# Altium PCB CM4-Tower.PcbDoc (part 2 of 10)
Units mil, origin at the board's own origin, x right, y up, seen from the top; angles counter-clockwise.
Board outline 1968.5 x 5354.33 mil, 8 copper layers (Top Layer, Layer 2, Layer 3, Layer 4, Layer 5, Layer 6, Layer 7, Bottom Layer), stack 61.408 mil thick; 632 components, 480 nets, 2338 pads, 1074 vias.
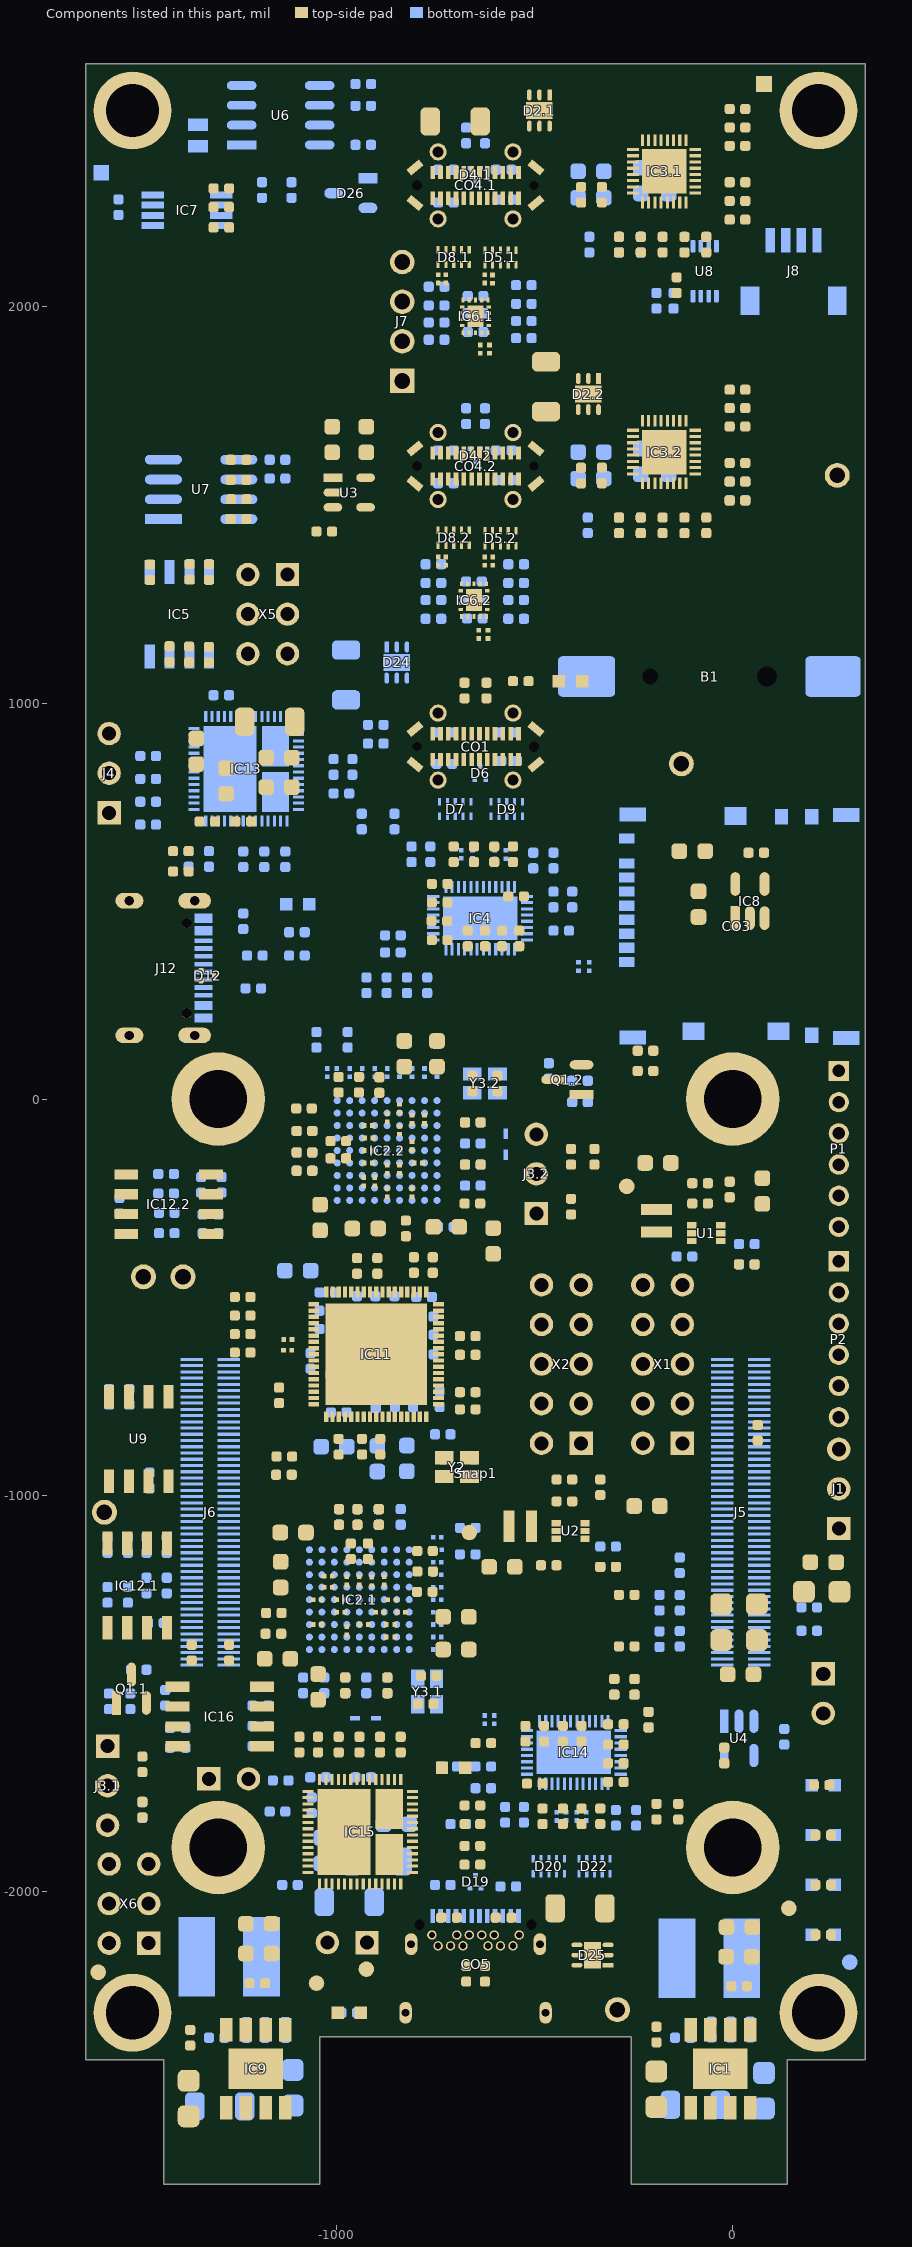
[diagram p8: the components of this part, seen from the top]

## Components (designator, comment, footprint, x,y, rotation, side; value= is the part's Value field where it differs from the comment) (continued)
R58.2 "10k" R0402#1 -6.3,1449.42 r90 top value=10K (schematic designator R58)
R59.1 "100k" R0402#1 -226.77,2156.69 r270 bottom value=100K (schematic designator R59)
R59.2 "100k" R0402#1 -226.77,1447.84 r270 bottom value=100K (schematic designator R59)
R60.1 "10k" R0402#1 11.02,2514.04 r180 top value=10K (schematic designator R60)
R60.2 "10k" R0402#1 11.02,1805.19 r180 top value=10K (schematic designator R60)
R61.1 "10k" R0402#1 -270.08,2284.25 r90 top value=10K (schematic designator R61)
R61.2 "10k" R0402#1 -270.08,1575.4 r90 top value=10K (schematic designator R61)
R62.1 "2.2K" R0402#1 11.02,2328.35 r180 top (schematic designator R62)
R62.2 "2.2K" R0402#1 11.02,1619.5 r180 top (schematic designator R62)
R63.1 "2.2K" R0402#1 11.02,2281.1 r180 top (schematic designator R63)
R63.2 "2.2K" R0402#1 11.02,1572.25 r180 top (schematic designator R63)
R64.1 "0" R0402#1 -565.35,2432.28 r270 bottom (schematic designator R64)
R64.2 "0" R0402#1 -565.35,1723.62 r270 bottom (schematic designator R64)
R65.1 "0" R0402#1 -612.6,2432.28 r270 bottom (schematic designator R65)
R65.2 "0" R0402#1 -612.6,1723.62 r270 bottom (schematic designator R65)
R66.1 "100k" R0402#1 -171.65,2156.69 r270 bottom value=100K (schematic designator R66)
R66.2 "100k" R0402#1 -171.65,1447.84 r270 bottom value=100K (schematic designator R66)
R67.1 "10k" R0402#1 -116.54,2158.27 r90 top value=10K (schematic designator R67)
R67.2 "10k" R0402#1 -116.54,1449.42 r90 top value=10K (schematic designator R67)
R68.1 "0" R0402#1 12.6,2346.19 r0 top (schematic designator R68)
R68.2 "0" R0402#1 12.6,1637.35 r0 top (schematic designator R68)
R69.1 "0" R0402#1 -443.89,2282.42 r270 top (schematic designator R69)
R69.2 "0" R0402#1 -443.89,1573.57 r270 top (schematic designator R69)
R70.1 "20K" R0402#1 -981.89,-1142.52 r270 top (schematic designator R70)
R70.2 "20K" R0402#1 -995.28,-166.93 r0 top (schematic designator R70)
R71.1 "20K" R0402#1 -1025.2,-1142.52 r270 top (schematic designator R71)
R71.2 "20K" R0402#1 -995.28,-210.24 r0 top (schematic designator R71)
R72 "0" R0402#1 -832.28,288.19 r90 bottom
R73 "0" R0402#1 -883.46,288.19 r90 bottom
R74 "0" R0402#1 -934.65,288.19 r90 bottom
R75 "0" R0402#1 -985.83,288.19 r90 bottom
R76 "0" R0402#1 -857.48,430.71 r0 bottom
R77 "0" R0402#1 -857.48,474.02 r0 bottom
R78 "1K" R0402#1 -740.14,388.96 r0 top
R79 "1K" R0402#1 -714.17,617.32 r270 top
R80 "1K" R0402#1 -662.99,617.32 r270 top
R81 "1K" R0402#1 -600,404.72 r270 top
R82 "1K" R0402#1 -392.13,503.15 r270 bottom
R83 "1K" R0402#1 -750.39,617.32 r270 bottom
R84 "1K" R0402#1 -686.61,404.72 r270 top
R85 "1K" R0402#1 -392.13,601.57 r270 bottom
R86 "1K" R0402#1 -740.94,556.69 r180 top
R87 "1K" R0402#1 -644.09,618.9 r90 top
R88 "1K" R0402#1 -494.49,618.9 r90 top
R89 "1K" R0402#1 -522.05,406.3 r90 top
R90 "1K" R0402#1 -466.14,504.72 r90 bottom
R91 "1K" R0402#1 -824.41,618.9 r90 bottom
R92 "1K" R0402#1 -608.66,406.3 r90 top
R93 "1K" R0402#1 -564.57,603.15 r90 bottom
R94 "10k" R0402#1 -534.65,994.49 r0 top value=10K
R95 "100k" R0402#1 -1290.55,1080.31 r0 bottom value=100K
R96 "100k" R0402#1 -947.24,837.8 r270 bottom value=100K
R97.1 "10k" R0402#1 11.02,2375.59 r180 top value=10K (schematic designator R97)
R97.2 "10k" R0402#1 11.02,1666.74 r180 top value=10K (schematic designator R97)
R98 "2.2K" R0402#1 -1434.65,607.09 r90 bottom
R99 "10k" R0402#1 -1475.59,926.77 r0 bottom value=10K
R100 "100k" R0402#1 -1021.26,839.37 r90 bottom value=100K
R101 "10k" R0402#1 -1475.59,753.54 r0 bottom value=10K
R102 "10k" R0402#1 -1310.89,1332.15 r90 top value=10K
R103 "10k" R0402#1 -1383.46,1121.26 r270 top value=10K
R104.1 "2.1M" R0402#1 -226.77,2158.27 r90 top (schematic designator R104)
R104.2 "2.1M" R0402#1 -226.77,1449.42 r90 top (schematic designator R104)
R105 "10k" R0402#1 -1433.43,1121.95 r270 top value=10K
R106.1 "2.1M" R0402#1 -171.65,2158.27 r90 top (schematic designator R106)
R106.2 "2.1M" R0402#1 -171.65,1449.42 r90 top (schematic designator R106)
R107 "100" R0402#1 -1309.43,-2369.32 r90 top
R108 "150" R0402#1 -967.72,-2246.46 r0 bottom
R109 "69.8K" R0402#1 -1201.57,-2171.65 r180 top
R110 "10.5K" R0402#1 -1167.7,-2351.21 r270 bottom
R111 "22.1K" R0402#1 -1069.28,-2351.21 r270 bottom
R112 "10k" R0402#1 -1483,1122.82 r270 top value=10K
R113 "2.2K" R0402#1 -1134.14,-887.9 r180 top
R114 "5.1K" R0402#1 -1209.94,340.16 r0 bottom
R115 "5.1K" R0402#1 -1206,422.83 r0 bottom
R116 "0" R0402#1 -73.23,-1177.95 r270 bottom
R117 "2.2K" R0402#1 -73.23,-1363.5 r270 bottom
R118 "2.2K" R0402#1 -194.49,-1270.87 r90 bottom
R119 "2.2K" R0402#1 -1426.77,-1398.43 r270 top
R120 "2.2K" R0402#1 -1211.02,-1396.85 r90 top
R121 "36K" R0402#1 -1490.55,2251.18 r270 bottom
R122 "0" R0402#1 192.13,-1344.09 r180 bottom
R123 "0" R0402#1 192.13,-1403.15 r180 bottom
R124 "0" R0402#1 123.62,-841.73 r90 top
R125 "150" R0402#1 229.13,-1918.9 r0 top
R126 "150" R0402#1 227.56,-1923.62 r180 top
R127.1 "0" R0402#2 -149.61,2015.75 r90 bottom (schematic designator R127)
R127.2 "0" R0402#2 11.81,1511.81 r180 bottom (schematic designator R127)
R128.1 "0" R0402#2 -192.91,2015.75 r90 bottom (schematic designator R128)
R128.2 "0" R0402#2 11.81,1559.06 r180 bottom (schematic designator R128)
R131 "10k" R0402#1 -1412.15,-964 r270 bottom value=10K
R132 "10k" R0402#1 -996.08,-851.63 r180 bottom value=10K
R133 "10k" R0402#1 -996.87,-878.4 r270 top value=10K
R134 "10k" R0402#1 -950.8,-878.4 r270 top value=10K
R135 "33" R0402#1 -1236.82,-607.3 r0 top
R136 "33" R0402#1 -1236.82,-654 r0 top
R137 "49.9" R0402#1 -1238.4,-439.34 r180 top
R138 "49.9" R0402#1 -1238.4,-579.44 r180 top
R139 "10k" R0402#1 -1024.41,-641.2 r180 bottom value=10K
R140 "10k" R0402#1 -996.85,-756.54 r180 bottom value=10K
R141 "10k" R0402#1 -1024.41,-595.12 r180 bottom value=10K
R142 "6.04K" R0402#1 -731.5,-785.83 r0 bottom
R143.1 "10k" R0402#1 -1457.48,-1383.46 r180 bottom value=10K (schematic designator R143)
R143.2 "10k" R0402#1 -1487.95,-270.32 r270 bottom value=10K (schematic designator R143)
R144 "2.2K" R0402#1 -1383.46,607.09 r90 bottom
R145.1 "249" R0402#1 -1159.76,-1237.06 r180 top (schematic designator R145)
R145.2 "249" R0402#1 -886.27,-327.56 r270 top (schematic designator R145)
R146.1 "249" R0402#1 -776.99,-1304.9 r0 top (schematic designator R146)
R146.2 "249" R0402#1 -831.93,36.22 r90 top (schematic designator R146)
R147.1 "3K" R0402#1 -932.89,-1479.71 r90 bottom (schematic designator R147)
R147.2 "3K" R0402#1 -657.13,-119.68 r180 bottom (schematic designator R147)
R148.1 "0" R0402#1 -268.5,-1321.26 r180 top (schematic designator R148)
R148.2 "0" R0402#1 -221.26,131.5 r180 top (schematic designator R148)
R149.1 "0" R0402#1 -268.5,-1191.34 r180 top (schematic designator R149)
R149.2 "0" R0402#1 -221.26,182.68 r180 top (schematic designator R149)
R150 "0" R0402#1 -359.84,-1485.04 r270 top
R151 "0" R0402#1 -238.58,-1485.04 r270 bottom
R152 "0" R0402#1 -308.66,-1485.04 r270 top
R153 "0" R0402#1 -187.4,-1485.04 r270 bottom
R154 "0" R0402#1 -273.23,-1567.72 r270 top
R155 "0" R0402#1 -151.97,-1567.72 r270 bottom
R156 "1K" R0402#1 -296.06,-1616.54 r180 top
R157 "1K" R0402#1 -274.02,-1810.24 r90 top
R158 "1K" R0402#1 -419.69,-1810.24 r90 top
R159 "1K" R0402#1 -462.99,-1601.57 r90 top
R160 "1K" R0402#1 -629.13,-1679.53 r0 bottom
R161 "1K" R0402#1 -355.91,-1814.17 r90 bottom
R162 "1K" R0402#1 -368.5,-1601.57 r90 top
R163 "1K" R0402#1 -635.43,-1806.3 r90 bottom
R164 "1K" R0402#1 -294.49,-1690.55 r0 top
R165 "1K" R0402#1 -442.52,-1811.81 r270 top
R166 "1K" R0402#1 -489.76,-1811.81 r270 top
R167 "1K" R0402#1 -537.01,-1603.15 r270 top
R168 "1K" R0402#1 -630.71,-1745.67 r180 bottom
R169 "1K" R0402#1 -183.46,-1815.75 r270 bottom
R170 "1K" R0402#1 -442.52,-1603.15 r270 top
R171 "1K" R0402#1 -466.93,-1807.87 r270 bottom
R172 "10k" R0402#1 -715.75,-1624.41 r0 bottom value=10K
R173 "100k" R0402#1 -1118.9,-2044.88 r180 bottom value=100K
R174 "100k" R0402#1 -658.27,-1770.08 r180 top value=100K
R175 "2.2K" R0402#1 -1140.95,-1659.84 r0 bottom
R176 "2.2K" R0402#1 -1148.82,-1738.58 r0 bottom
R177 "10k" R0402#1 -1002.36,-1784.25 r270 bottom value=10K
R178 "100k" R0402#1 -656.69,-1844.09 r0 top value=100K
R179 "2.2K" R0402#1 -1475.59,811.29 r0 bottom
R180 "10k" R0402#1 -1402.22,-1648.64 r180 bottom value=10K
R181 "10k" R0402#1 -1192.13,-1573.23 r0 bottom value=10K
R182 "10k" R0402#1 -1192.13,-1522.05 r0 bottom value=10K
R183 "10k" R0402#1 -1192.13,-1470.87 r0 bottom value=10K
R184 "0" R0402#1 -737.8,1030.71 r270 top
R185 "0" R0402#1 -682.68,1030.71 r270 top
R186 "0" R0402#1 -612.6,-2207.87 r90 top
R187 "0" R0402#1 -565.35,-2207.87 r90 top
R188 "0" R0402#2 -1393.7,625.98 r0 top
R189 "0" R0402#2 -1393.7,574.8 r0 top
R190 "0" R0402#1 -245.67,-1362.93 r90 bottom
R191 "0" R0402#1 -124.41,-1272.44 r270 bottom
R192 "2M" R0402#1 -876.38,700 r270 bottom
R193 "10k" R0402#1 -1411.17,1330.71 r90 top value=10K
R194 "10k" R0402#2 -901.57,897.64 r180 bottom value=10K
R195 "100k" R0402#2 -901.57,944.88 r0 bottom value=100K
R196 "0" R0402#1 -988.98,711.02 r180 bottom
R197 "2M" R0402#1 -132.28,-1798.43 r90 top
R198 "2.2K" R0402#1 -1475.59,869.03 r0 bottom
R199 "10k" R0402#1 -1296.85,606.1 r90 bottom value=10K
R200 "2.2K" R0402#1 -1243.7,606.1 r90 bottom
R201 "2.2K" R0402#1 -1190.55,606.1 r90 bottom
R202 "10k" R0402#1 -1003.54,-1630.71 r270 top value=10K
R203 "2.2K" R0402#1 -951.38,-1630.71 r270 top
R204 "2.2K" R0402#1 -899.21,-1630.71 r270 top
R205 "10k" R0402#1 -1155.12,-1630.71 r270 top value=10K
R206 "2.2K" R0402#1 -1107.87,-1630.71 r270 top
R207 "2.2K" R0402#1 -1055.71,-1630.71 r270 top
R208 "2.2K" R0402#1 -1292.13,2359.84 r180 top
R209 "2.2K" R0402#1 -1292.13,2312.6 r180 top
R210 "2M" R0402#1 -77.17,-1798.43 r90 top
R211 "10k" R0402#1 -1493.7,-1511.02 r90 bottom value=10K
R212 "10k" R0402#1 -658.27,-1825.2 r180 top value=10K
R213 "100k" R0402#1 -656.69,-1993.7 r0 top value=100K
R214 "4.7K" R0402#2 -933.07,2562.99 r180 bottom
R215 "4.7K" R0402#2 -933.07,2507.87 r180 bottom
R216 "0" R0402#2 -1188.98,2295.28 r90 bottom
R217 "0" R0402#2 -1114.17,2295.28 r90 bottom
R218 "4.7K" R0402#2 -1248.03,1562.99 r180 top
R219 "4.7K" R0402#2 -1248.03,1614.17 r180 top
R220 "0" R0402#2 -1247.34,1514.76 r180 top
R221 "0" R0402#2 -1149.61,1614.17 r180 bottom
R222 "0" R0402#2 -1149.61,1566.93 r180 bottom
R223.1 "0" R0402#2 -362.2,2157.48 r90 bottom (schematic designator R223)
R223.2 "0" R0402#2 -366.14,1448.82 r90 bottom (schematic designator R223)
R224 "0" R0402#2 129.92,-1610.24 r90 bottom
R229 "12K" R0402#2 35.43,-366.14 r180 bottom
R230 "16K" R0402#2 35.43,-417.32 r0 top
R231 "0" R0402#2 -334.65,-980.32 r90 top
R232 "0" R0402#2 -464.57,-1177.17 r180 top
R237.1 "10k" R0402#2 -527.56,1964.57 r180 bottom value=10K (schematic designator R237)
R237.2 "10k" R0402#2 -547.24,1259.84 r180 bottom value=10K (schematic designator R237)
R238.1 "10k" R0402#2 -527.56,2007.87 r180 bottom value=10K (schematic designator R238)
R238.2 "10k" R0402#2 -547.24,1303.15 r180 bottom value=10K (schematic designator R238)
R239.1 "10k" R0402#2 -748.03,1960.63 r0 bottom value=10K (schematic designator R239)
R239.2 "10k" R0402#2 -755.91,1259.84 r0 bottom value=10K (schematic designator R239)
R240.1 "10k" R0402#2 -748.03,2003.94 r0 bottom value=10K (schematic designator R240)
R240.2 "10k" R0402#2 -755.91,1303.15 r0 bottom value=10K (schematic designator R240)
R241.1 "10k" R0402#2 -527.56,1921.26 r0 bottom value=10K (schematic designator R241)
R241.2 "10k" R0402#2 -547.24,1212.6 r0 bottom value=10K (schematic designator R241)
R242.1 "10k" R0402#2 -527.56,2055.12 r0 bottom value=10K (schematic designator R242)
R242.2 "10k" R0402#2 -547.24,1350.39 r0 bottom value=10K (schematic designator R242)
R243.1 "10k" R0402#2 -748.03,1917.32 r180 bottom value=10K (schematic designator R243)
R243.2 "10k" R0402#2 -755.91,1212.6 r180 bottom value=10K (schematic designator R243)
R244.1 "10k" R0402#2 -748.03,2051.18 r180 bottom value=10K (schematic designator R244)
R244.2 "10k" R0402#2 -755.91,1350.39 r180 bottom value=10K (schematic designator R244)
R245 "10k" R0402#2 -1031.5,1433.07 r0 top value=10K
Snap1 "CM4-1" CM4_SNAP -649.61,-944.88 r90 bottom locked
TP1 "TP_1mm" TP_1MM -1488.19,-448.82 r0 top
TP2 "TP_1mm" TP_1MM -291.34,-2299.21 r0 top
TP3 "TP_1mm" TP_1MM -129.92,846.46 r0 top
TP4 "TP_1mm" TP_1MM 263.78,1574.8 r0 top
TP5 "Testpoint 1mm SMD" TP_1mm_SMD -925.2,-2196.85 r90 top
TP6 "Testpoint 1mm SMD" TP_1mm_SMD 141.73,-2043.31 r90 top
TP7 "Testpoint 1mm SMD" TP_1mm_SMD -267.72,-220.47 r90 top
TP8 "Testpoint 1mm SMD" TP_1mm_SMD -1051.18,-2232.28 r90 top
TP9 "Testpoint 1mm SMD" TP_1mm_SMD -665.35,-1094.49 r90 top
TP10.1 "TP_1mm" TP_1MM -1586.61,-1043.31 r90 top (schematic designator TP10)
TP10.2 "TP_1mm" TP_1MM -1388.19,-448.82 r270 top (schematic designator TP10)
U1 "AP61202Z6-7" AP61202Z6-7_SOT563 -66.93,-338.58 r180 top
U2 "AP61202Z6-7" AP61202Z6-7_SOT563 -409.45,-1090.55 r180 top
U3 "TPS7A2018PDBVR" TPS7A20_SOT_23_5 -968.5,1531.5 r0 top
U4 "SN74LVC1G07DBVT" SN74LVC1G07DBVT_SOT_23_5 15.75,-1614.17 r270 bottom
U6 "PCF85063AT/AAZ" PCF85063AT_SOIC_8 -1141.73,2484.25 r0 bottom
U7 "AT24C64B" AT24C64B_SOIC_8 -1342.52,1539.37 r0 bottom
U8 "SN74LVC3G07DCUR" SN74LVC3G07DCUR_VSSOP_8 -70.87,2090.55 r270 bottom
U9 "W25X10CLSNIG" W25X10CLSNIG_SOIC_8 -1500,-858.27 r90 top
X1 "PBD-10" PXD-10 -177.17,-669.29 r90 top
X2 "PBD-10" PXD-10 -433.07,-669.29 r90 top
X5 "PBD-6" PXD-6 -1124.41,1324.41 r270 bottom
X6 "PBD-6" PXD-6 -1474.8,-2131.5 r90 top
Y1 "ECS-.327-7-12R-TR" FP-ECX-12R-MFG -1350.39,2433.07 r90 bottom
Y2 "ABM10W-25.0000MHZ-8-D1X-T3" ABM10W -696.85,-929.13 r180 top
Y3.1 "ABM10W-27.0000MHZ-8-D1X-T3" ABM10W -771.65,-1496.06 r90 bottom (schematic designator Y3)
Y3.2 "ABM10W-27.0000MHZ-8-D1X-T3" ABM10W -625.98,39.37 r180 bottom (schematic designator Y3)

## Footprints (in the part's own frame and the unit in brackets; to place one, negate y for a bottom-side part, rotate by r counter-clockwise, add the part's x,y. Pads: shape width x height; smd on the part's side, far side on the other; paste and mask are expansions set on the pad)
62000611121 [mm] "Pin Header, pitch 2.00 mm, THT, Vertical, single row, 6p"
  rect 1.3x1.3 hole 0.8: 1(-5,0)
  round 1.3 hole 0.8: 2(-3,0) 3(-1,0) 4(1,0) 5(3,0) 6(5,0)
  silkscreen extent -6.2,-1.07 6.2,1.07, body extent -6,-1 6,1, height 6.05
693071030811 [mm]
  rect 0.65x1 smd: 1(2.3,6.8) 2(1.4,6.8) 3(0.5,6.8) 4(-0.4,6.8) 5(-1.3,6.8) 6(-2.2,6.8) 7(-3.1,6.8) 8(-4,6.8) CD(-5.62,6.8)
  rect 0.9x1.7 smd: GND(-7.15,6.425) GND(-7.122,-7.275) GND(7.15,6.425) GND(7.178,-7.284)
  rect 1.13x1.4 smd: GND(-7.05,-0.175) GND(6.75,-2.925) GND(6.75,2.525)
  rect 1x0.85 smd: GND(-7,-5.055) GND(-7,-3.125) GND(7,-5.055)
  silkscreen extent -7.8,-8.4 7.8,8.1, body extent -7.34,-8.3 7.38,7.05, height 1.35
ABM10W [mm]
  rect 1.2x0.85 smd paste+0 mask+0: 1(-0.813,-0.6) 2(0.813,-0.6) 3(0.813,0.6) 4(-0.813,0.6)
  silkscreen extent -2.1,-1.42 1.3,1.43, body extent -1.51,-1.15 1.51,1.15, height 0.25
AP61202Z6-7_SOT563 [mm] "SOT23, 6-Leads, Body 1.60x1.63mm, Pitch 0.50mm, IPC Medium Density"
  rect 0.6x0.4 smd: 1(-0.925,0.5) 2(-0.925,0) 3(-0.925,-0.5) 4(0.925,-0.5) 5(0.925,0) 6(0.925,0.5)
  silkscreen extent -1.05,-0.85 0.25,1.37, body extent -0.95,-0.85 0.95,0.85, height 0.6
AP64501SP-13_SOIC_8 [mm]
  rect 0.8x1.5 smd: 1(-1.905,-2.5) 2(-0.635,-2.5) 3(0.635,-2.5) 4(1.905,-2.5) 5(1.905,2.5) 6(0.635,2.5) 7(-0.635,2.5) 8(-1.905,2.5)
  rect 3.5x2.6 smd: 9(0,0)
  silkscreen extent -2.87,-1.75 2.45,1.45, body extent -2.5,-3.12 2.5,3.12, height 2.05
AT24C64B_SOIC_8 [mil]
  rect 93.59x24.49 smd paste+0 mask+0: 1(-95.18,75)
  rrect100% 93.59x24.49 smd paste+0 mask+0: 2(-95.18,25) 3(-95.18,-25) 4(-95.18,-75) 5(95.18,-75) 6(95.18,-25) 7(95.18,25) 8(95.18,75)
  silkscreen extent -167,-96 29,96, body extent -118,-96 118,96, height 69
BAT41KFILM_SOD-523-2 [mm]
  rect 0.65x0.3 smd paste+0 mask+0: 1(-0.675,0) 2(0.675,0)
  silkscreen extent -1.8,-0.8 0.65,0.8, body extent -0.81,-0.41 0.79,0.39, height 0.7
BAT54C_SOT_23_3 [mm]
  rect 1.204x0.671 smd paste+0 mask+0: 1(-1.1,0.95)
  rrect100% 1.204x0.671 smd paste+0 mask+0: 2(-1.1,-0.95) 3(1.1,0)
  silkscreen extent -0.65,-1.46 0.65,1.46, body extent -1.2,-1.46 1.2,1.46, height 1.2
BC501SM_CR1220 [mm]
  rrect20% 3.54x2.6 smd: +(8.23,0)
  rrect20% 3.66x2.6 smd: -(-7.57,0)
  round 0 hole 1.3 unplated: H1(4,0)
  round 0 hole 1 unplated: H2(-3.5,0)
  silkscreen extent -7.32,-7.5 7.5,7.5, body extent -8.8,-7.5 9.7,7.5, height 4.04
C0201 [mm]
  rect 0.3x0.3 smd mask+0.04: 1(-0.265,0) 2(0.265,0)
  silkscreen extent -0.6,-0.3 0.6,0.3, body extent -0.3,-0.15 0.3,0.15, height 0.3
C0402 [mm]
  rrect50% 0.65x0.65 smd: 1(-0.5,0) 2(0.5,0)
  silkscreen extent -1.08,-0.58 1.08,0.58, body extent -0.5,-0.25 0.5,0.25, height 0.56
C0603 [mm]
  rrect50% 1x1 smd: 1(-0.825,0) 2(0.825,0)
  silkscreen extent -1.63,-0.8 1.63,0.8, body extent -0.77,-0.4 0.83,0.46, height 0.95
C0805 [mm]
  rrect50% 1.4x1.4 smd: 1(-1.143,0) 2(1.143,0)
  silkscreen extent -2.11,-0.97 2.11,0.97, body extent -1,-0.6 1,0.6, height 0.95
C1206 [mm]
  rrect50% 1.25x1.8 smd: 1(-1.6,0) 2(1.6,0)
  silkscreen extent -2.53,-1.19 2.53,1.19, body extent -1.6,-0.8 1.6,0.8, height 0.95
CM4_CON_A [mm]
  rect 0.2x1.43 smd mask+0.05: 1(9.8,1.19) 2(9.8,-1.19) 3(9.4,1.19) 4(9.4,-1.19) 5(9,1.19) 6(9,-1.19) 7(8.6,1.19) 8(8.6,-1.19) 9(8.2,1.19) 10(8.2,-1.19) 11(7.8,1.19) 12(7.8,-1.19) 13(7.4,1.19) 14(7.4,-1.19) 15(7,1.19) 16(7,-1.19) 17(6.6,1.19) 18(6.6,-1.19) 19(6.2,1.19) 20(6.2,-1.19) 21(5.8,1.19) 22(5.8,-1.19) 23(5.4,1.19) 24(5.4,-1.19) 25(5,1.19) 26(5,-1.19) 27(4.6,1.19) 28(4.6,-1.19) 29(4.2,1.19) 30(4.2,-1.19) 31(3.8,1.19) 32(3.8,-1.19) 33(3.4,1.19) 34(3.4,-1.19) 35(3,1.19) 36(3,-1.19) 37(2.6,1.19) 38(2.6,-1.19) 39(2.2,1.19) 40(2.2,-1.19) 41(1.8,1.19) 42(1.8,-1.19) 43(1.4,1.19) 44(1.4,-1.19) 45(1,1.19) 46(1,-1.19) 47(0.6,1.19) 48(0.6,-1.19) 49(0.2,1.19) 50(0.2,-1.19) 51(-0.2,1.19) 52(-0.2,-1.19) 53(-0.6,1.19) 54(-0.6,-1.19) 55(-1,1.19) 56(-1,-1.19) 57(-1.4,1.19) 58(-1.4,-1.19) 59(-1.8,1.19) 60(-1.8,-1.19) 61(-2.2,1.19) 62(-2.2,-1.19) 63(-2.6,1.19) 64(-2.6,-1.19) 65(-3,1.19) 66(-3,-1.19) 67(-3.4,1.19) 68(-3.4,-1.19) 69(-3.8,1.19) 70(-3.8,-1.19) 71(-4.2,1.19) 72(-4.2,-1.19) 73(-4.6,1.19) 74(-4.6,-1.19) 75(-5,1.19) 76(-5,-1.19) 77(-5.4,1.19) 78(-5.4,-1.19) 79(-5.8,1.19) 80(-5.8,-1.19) 81(-6.2,1.19) 82(-6.2,-1.19) 83(-6.6,1.19) 84(-6.6,-1.19) 85(-7,1.19) 86(-7,-1.19) 87(-7.4,1.19) 88(-7.4,-1.19) 89(-7.8,1.19) 90(-7.8,-1.19) 91(-8.2,1.19) 92(-8.2,-1.19) 93(-8.6,1.19) 94(-8.6,-1.19) 95(-9,1.19) 96(-9,-1.19) 97(-9.4,1.19) 98(-9.4,-1.19) 99(-9.8,1.19) 100(-9.8,-1.19)
  silkscreen extent -11.3,-2 11.3,2.4, body extent -11.3,-1.69 11.3,1.69, height 2.9
CM4_CON_B [mm]
  rect 0.2x1.43 smd mask+0.05: 101(9.8,1.19) 102(9.8,-1.19) 103(9.4,1.19) 104(9.4,-1.19) 105(9,1.19) 106(9,-1.19) 107(8.6,1.19) 108(8.6,-1.19) 109(8.2,1.19) 110(8.2,-1.19) 111(7.8,1.19) 112(7.8,-1.19) 113(7.4,1.19) 114(7.4,-1.19) 115(7,1.19) 116(7,-1.19) 117(6.6,1.19) 118(6.6,-1.19) 119(6.2,1.19) 120(6.2,-1.19) 121(5.8,1.19) 122(5.8,-1.19) 123(5.4,1.19) 124(5.4,-1.19) 125(5,1.19) 126(5,-1.19) 127(4.6,1.19) 128(4.6,-1.19) 129(4.2,1.19) 130(4.2,-1.19) 131(3.8,1.19) 132(3.8,-1.19) 133(3.4,1.19) 134(3.4,-1.19) 135(3,1.19) 136(3,-1.19) 137(2.6,1.19) 138(2.6,-1.19) 139(2.2,1.19) 140(2.2,-1.19) 141(1.8,1.19) 142(1.8,-1.19) 143(1.4,1.19) 144(1.4,-1.19) 145(1,1.19) 146(1,-1.19) 147(0.6,1.19) 148(0.6,-1.19) 149(0.2,1.19) 150(0.2,-1.19) 151(-0.2,1.19) 152(-0.2,-1.19) 153(-0.6,1.19) 154(-0.6,-1.19) 155(-1,1.19) 156(-1,-1.19) 157(-1.4,1.19) 158(-1.4,-1.19) 159(-1.8,1.19) 160(-1.8,-1.19) 161(-2.2,1.19) 162(-2.2,-1.19) 163(-2.6,1.19) 164(-2.6,-1.19) 165(-3,1.19) 166(-3,-1.19) 167(-3.4,1.19) 168(-3.4,-1.19) 169(-3.8,1.19) 170(-3.8,-1.19) 171(-4.2,1.19) 172(-4.2,-1.19) 173(-4.6,1.19) 174(-4.6,-1.19) 175(-5,1.19) 176(-5,-1.19) 177(-5.4,1.19) 178(-5.4,-1.19) 179(-5.8,1.19) 180(-5.8,-1.19) 181(-6.2,1.19) 182(-6.2,-1.19) 183(-6.6,1.19) 184(-6.6,-1.19) 185(-7,1.19) 186(-7,-1.19) 187(-7.4,1.19) 188(-7.4,-1.19) 189(-7.8,1.19) 190(-7.8,-1.19) 191(-8.2,1.19) 192(-8.2,-1.19) 193(-8.6,1.19) 194(-8.6,-1.19) 195(-9,1.19) 196(-9,-1.19) 197(-9.4,1.19) 198(-9.4,-1.19) 199(-9.8,1.19) 200(-9.8,-1.19)
  silkscreen extent -11.3,-2 11.3,2.4, body extent -11.3,-1.69 11.3,1.69, height 2.9
CM4_SNAP [mm]
  round 6 hole 3.7: GND(-24,-16.5) GND(-24,16.5) GND(24,-16.5) GND(24,16.5)
  silkscreen extent -27.16,-19.66 27.16,19.67, body extent -26.65,-19.05 26.55,19.05, height 3
CM4_step [mil]
  body extent -1083,-835 1083,740, height 268
EMC2301-1-ACZL-TR_MSOP-8 [mm]
  rect 0.45x1.45 smd: 1(-0.975,-2.2) 2(-0.325,-2.2) 3(0.325,-2.2) 4(0.975,-2.2) 5(0.975,2.2) 6(0.325,2.2) 7(-0.325,2.2) 8(-0.975,2.2)
  silkscreen extent -2.29,-3.32 1.74,3.3, body extent -1.5,-2.6 1.5,2.4, height 1.09
FDV301N_SOT_23 [mm]
  rect 1.524x0.578 smd paste+0 mask+0: 1(-0.91,0.95)
  rrect100% 1.524x0.578 smd paste+0 mask+0: 2(-0.91,-0.95) 3(0.91,0)
  silkscreen extent -0.65,-1.45 0.65,1.45, body extent -1.92,-1.7 1.92,1.7, height 0.25
FidR_1.0mm [mm]
  round 1 smd: 1(0,0)
FidS_1.0mm [mm]
  rect 1x1 smd: 1(0,0)
FP-22-05-3041-MFG [mm]
  rect 1.57x1.57 hole 1.02 paste-1000 mask+0: 1(-3.81,7.073)
  round 1.57 hole 1.02 paste-1000 mask+0: 2(-1.27,7.073) 3(1.27,7.073) 4(3.81,7.073)
  silkscreen extent -5.08,1.03 5.08,9.14, body extent -5,-5.54 5,7.39, height 6.6
FP-ECX-12R-MFG [mm]
  rect 0.8x1.3 smd paste+0 mask+0: 1(-0.7,0) 2(0.7,0)
  silkscreen extent -1.05,-1.02 1.05,1.02, body extent -1,-0.6 1,0.6, height 0.6
HOLE_M3 [mm]
  round 5 hole 3.4: 1(0,0)
  silkscreen extent -2.66,-2.66 2.67,2.66